# Altium PCB PCB1.PcbDoc (part 2 of 2)
Units mm, origin at the board's own origin, x right, y up, seen from the top; angles counter-clockwise.
Board outline 145.8 x 183.3 mm, 2 copper layers (TOP, BOTTOM), stack 1.571 mm thick; 149 components, 161 nets, 634 pads, 198 vias.
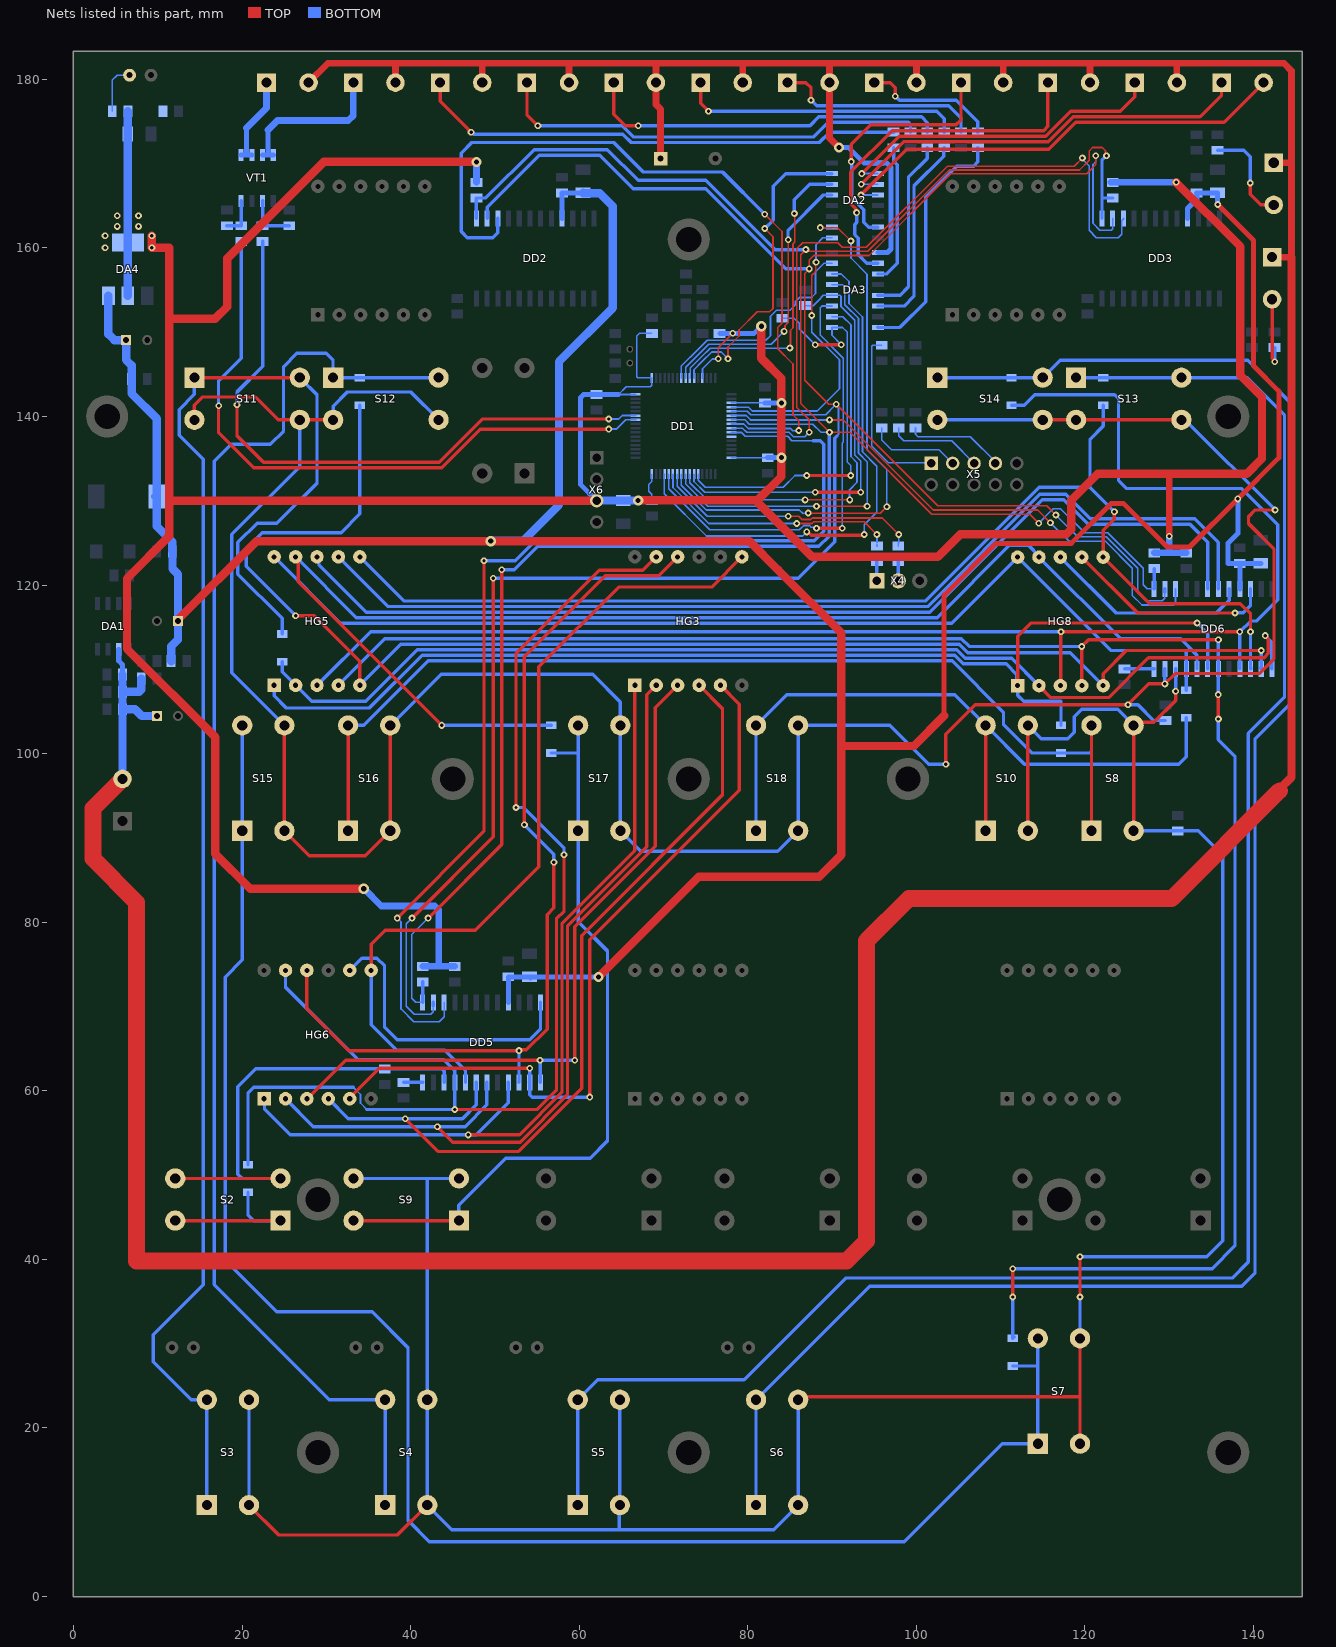
[diagram p2: the nets of this part, all layers, seen from the top]

## Via types
v1: diameter 0.8, hole 0.4, TOP to BOTTOM, 171 vias
v2: diameter 1.2, hole 0.6, TOP to BOTTOM, 27 vias

## Nets (pads, with @x,y where several pads share a name; then routed paths per layer and width w, separated by ;. In a path a pad name is that pad's centre, name@x,y a point inside that pad or via, vN(x,y) a via of type N, cw(c..) or ccw(c..) an arc to the next point about the centre after c; other vN are vias at no path point) (continued)
NetDD5_12: DD5.12 HG6.8 | length 35.2
  BOTTOM w0.4: HG6.8@32.777,74.295 34.227,75.745 35.992,75.745 36.907,74.83 36.907,67.528 38.395,66.04 54.134,66.04 55.402,67.308 DD5.12@55.402,70.5
NetDD5_13: DD5.13 HG3.3 HG6.3 | length 85.9
  TOP w0.4: HG6.3@27.697,59.055 27.712,59.055 32.294,63.638 v1(55.343,63.638) ; v1(59.462,63.638) 59.462,79.464 69,89.002 69,105.429 HG3.3@71.68,108.109
  BOTTOM w0.4: DD5.13@55.402,61 55.373,61.029 55.373,63.608 v1(55.343,63.638) v1(59.462,63.638)
NetDD5_14: DD5.14 HG3.5 HG6.5 | length 90.6
  TOP w0.4: HG6.5@32.777,59.055 32.777,59.195 36.267,62.685 v1(54.132,62.685) ; v1(61.246,59.254) 61.246,77.915 79,95.669 79,105.869 HG3.5@76.76,108.109
  BOTTOM w0.4: DD5.14@54.09,61.043 DD5.14@54.132,61 54.134,60.998 54.134,59.531 54.411,59.254 v1(61.246,59.254) ; DD5.14@54.132,61.043 v1(54.132,62.685) v1@54.132,62.727 ; HG3.5@76.676,108.109 HG3.5@76.76,108.109
NetDD5_15: DD5.15 HG3.10 HG6.10 | length 109
  TOP w0.4: HG6.10@27.697,74.295 27.697,69.752 32.68,64.77 v1(52.862,64.77) 52.939,64.847 53.734,64.847 56.2,67.312 56.2,80.9 57,81.7 v1@57,86.981 ; v1(53.5,91.576) 53.5,111.5 63.11,121.11 69.441,121.11 HG3.10@71.68,123.349
  BOTTOM w0.4: DD5.15@52.862,61 52.82,61.043 DD5.15@52.864,61.087 ; DD5.15@52.862,61.087 52.864,61.089 v1@52.864,64.77 ; v1(53.5,91.576) 57,88.076 v1(57,87.1) ; HG3.10@71.596,123.265 HG3.10@71.68,123.349
NetDD5_16: DD5.16 HG3.1 HG6.1 | length 100.5
  TOP w0.4: v1(46.831,54.769) 52.919,54.769 57.954,59.804 57.954,79.806 66.6,88.452 HG3.1@66.6,108.109
  BOTTOM w0.4: HG6.1@22.617,59.055 22.657,59.015 22.657,57.843 25.71,54.79 v1@46.787,54.79 ; v1(46.831,54.769) 47.769,54.769 51.592,58.592 DD5.16@51.592,61
NetDD5_18: DD5.18 HG3.2 HG6.2 | length 100.5
  TOP w0.4: v1(43.18,55.721) 44.987,53.915 52.99,53.915 58.608,59.533 58.608,79.535 68,88.927 68,106.969 HG3.2@69.14,108.109
  BOTTOM w0.4: HG6.2@25.157,59.055 28.47,55.742 46.47,55.742 49.052,58.325 DD5.18@49.052,61
NetDD5_19: DD5.19 HG3.4 HG6.4 | length 103.4
  TOP w0.4: v1(39.37,56.674) 43.244,52.8 52.8,52.8 60.316,60.316 60.316,78.414 77,95.098 77,105.329 HG3.4@74.22,108.109
  BOTTOM w0.4: HG6.4@30.237,59.055 30.237,59.035 30.257,59.035 32.597,56.695 46.152,56.695 47.782,58.325 DD5.19@47.782,61
NetDD5_20: DD5.20 HG3.7 HG6.7 | length 101.3
  TOP w0.4: HG6.7@35.317,74.295 35.317,77.386 36.989,79.057 47.658,79.057 55.2,86.6 55.2,110.286 64.676,119.762 75.713,119.762 HG3.7@79.3,123.349
  BOTTOM w0.4: HG6.7@35.317,74.295 35.317,67.848 38.365,64.8 44.067,64.8 46.512,62.355 DD5.20@46.512,61
NetDD5_21: DD5.21 HG3.11 HG6.11 VD11.2 | length 155.2
  TOP w0.4: v1(45.242,57.785) 55.01,57.785 57.3,60.075 57.3,80.4 58.2,81.3 v1(58.2,88) ; v1(52.508,93.6) 52.508,111.908 62.364,121.764 67.555,121.764 HG3.11@69.14,123.349
  BOTTOM w0.2: 33.205,60.4 34.047,59.558 34.047,58.552 34.814,57.785
  BOTTOM w0.4: VD11.2@20.7,51.24 20.7,59.7 21.4,60.4 33.205,60.4 ; HG6.11@25.157,74.295 25.157,72.292 33.77,63.68 43.93,63.68 45.242,62.368 DD5.21@45.242,61 v1(45.242,57.785) 34.814,57.785 ; v1(52.508,93.6) 53.4,93.6 58.2,88.8 v1(58.2,88)
NetDD5_22: DD5.22 R43.2 S2.3 S2.4 | length 55
  TOP w0.4: S2.4@12.073,49.6 S2.3@24.573,49.6
  BOTTOM w0.4: S2.3@24.573,49.6 20,49.6 19.5,50.1 19.5,60.5 21.6,62.6 43.7,62.6 43.972,62.328 DD5.22@43.972,61
NetDD5_24: DD5.24 R35.2 | length 2.3
  BOTTOM w0.4: R35.2@39.167,61 DD5.24@41.432,61
NetDD6_6: DD6.6 HG5.8 | length 121.9
  BOTTOM w0.4: HG5.8@28.892,123.349 29.122,123.119 29.122,122.401 34.731,116.792 101.6,116.792 114.908,130.1 117.475,130.1 120.383,127.192 132.461,127.192 134.56,125.093 DD6.6@134.56,119.551
NetDD6_7: DD6.7 HG5.7 | length 120.2
  BOTTOM w0.4: HG5.7@31.432,123.349 37.335,117.446 101.329,117.446 114.637,130.754 117.746,130.754 120.654,127.846 133.035,127.846 135.83,125.051 DD6.7@135.83,119.551
NetDD6_8: DD6.8 HG8.8 | length 25.1
  TOP w0.4: HG8.8@117.085,123.301 HG8.8@117.315,123.072
  BOTTOM w0.4: HG8.8@117.085,123.301 123.705,116.681 135.572,116.681 137.1,118.209 DD6.8@137.1,119.551
NetDD6_10: DD6.10 HG8.7 | length 25.1
  TOP w0.4: HG8.7@119.625,123.301 126.245,116.681 v1(137.795,116.681)
  BOTTOM w0.4: v1(137.795,116.681) 137.795,116.74 137.806,116.729 138.795,116.729 139.64,117.574 DD6.10@139.64,119.551
NetDD6_13: DD6.13 HG5.2 HG8.2 VD12.2 | length 133.2
  TOP w0.4: HG8.2@114.545,108.061 115.952,106.654 122.804,106.654 127.532,111.382 141.264,111.382 141.764,111.883 141.764,113.566 141.4,113.93 v1(141.4,114)
  BOTTOM w0.4: VD12.2@24.765,110.914 24.765,109.696 HG5.2@26.352,108.109 28.258,106.204 34.679,106.204 40.783,112.308 104.807,112.308 105.812,111.303 111.304,111.303 HG8.2@114.545,108.061 ; v1(141.4,114) 142.18,113.22 DD6.13@142.18,110.051
NetDD6_14: DD6.14 HG5.5 HG8.5 VD13.2 | length 167
  TOP w0.4: v1(26.352,116.364) 28.575,116.364 33.972,110.966 HG5.5@33.972,108.109 ; HG8.5@122.165,108.061 122.165,109.475 124.926,112.236 v1(140.91,112.236)
  BOTTOM w0.4: v1(26.352,116.364) 20.479,122.237 20.479,124.301 22.384,126.206 31.75,126.206 33.972,128.429 VD13.2@33.973,141.32 ; HG5.5@33.972,108.109 38.826,112.962 105.078,112.962 106.083,111.957 118.27,111.957 HG8.5@122.165,108.061 ; DD6.14@140.91,110.051 140.811,110.15 140.91,110.249 v1(140.91,112.236)
NetDD6_15: DD6.15 HG5.6 HG8.6 VD14.2 | length 141.6
  TOP w0.4: v1(123.492,128.7) 123.492,127.828 122.165,126.501 HG8.6@122.165,123.301 127.674,117.792 138.43,117.792 139.64,116.583 v1(139.64,114.459)
  BOTTOM w0.4: HG5.6@33.972,123.349 39.221,118.1 101.058,118.1 114.562,131.604 120.6,131.604 120.6,137.3 122.165,138.865 VD14.2@122.165,141.32 ; 120.6,131.548 123.448,128.7 v1(123.492,128.7) ; HG8.6@122.165,123.301 HG8.6@122.19,123.301 ; DD6.15@139.64,110.051 139.7,110.111 139.64,110.171 v1(139.64,114.459)
NetDD6_16: DD6.16 HG5.3 HG8.3 VD15.2 | length 182
  TOP w0.4: HG8.3@117.085,108.061 117.157,108.134 117.121,108.17 117.121,114.264 v1@117.157,114.3 ; v1(117.157,114.446) 117.164,114.452 138.364,114.452 v1(138.37,114.459)
  BOTTOM w0.4: HG5.3@28.892,108.109 35.242,114.459 117.145,114.459 v1(117.157,114.446) ; VD15.2@111.284,141.32 112.82,141.32 114.058,142.558 123.507,142.558 123.984,142.081 123.984,132.398 124.936,131.445 138.589,131.445 142.88,127.154 142.88,118.274 140.335,115.729 139.64,115.729 v1(138.37,114.459) DD6.16@138.37,110.194 ; HG8.3@117.085,108.061 HG8.3@117.157,108.134 ; DD6.16@138.37,110.051 138.392,110.051 DD6.16@138.37,110.074
NetDD6_18: DD6.18 HG5.4 HG8.4 VD16.2 | length 220.7
  TOP w0.4: v1(111.442,35.529) v1(111.442,38.894) ; HG8.4@119.625,108.061 v1(119.625,112.712) 120.419,113.506 v1(135.83,113.506) ; v1(135.8,107) 135.8,104.13 v1(135.83,104.1)
  BOTTOM w0.4: HG5.4@31.432,108.109 36.94,113.616 105.349,113.616 106.252,112.712 v1(119.625,112.712) ; v1(111.442,35.529) VD16.2@111.442,30.631 VD16.2@111.609,30.797 ; v1(111.442,38.894) 135.096,38.894 137.795,41.593 137.795,99.705 135.83,101.67 v1(135.83,104.1) ; HG8.4@119.595,108.091 HG8.4@119.625,108.061 ; v1(135.8,107) 135.815,107.015 135.815,110.036 DD6.18@135.83,110.051 ; DD6.18@135.83,110.171 v1(135.83,113.506)
NetDD6_19: DD6.19 HG5.1 HG8.1 VD17.2 | length 138.1
  TOP w0.4: HG8.1@112.005,108.061 112.005,113.905 113.6,115.5 v1(133.3,115.5)
  BOTTOM w0.4: HG5.1@23.812,108.109 23.812,106.839 25.241,105.41 35.11,105.41 41.354,111.654 104.536,111.654 105.541,110.649 110.649,110.649 111.919,109.379 111.919,108.148 HG8.1@112.005,108.061 112.021,108.046 112.021,106.896 112.712,106.204 117.157,106.204 VD17.2@117.157,103.35 ; v1(133.3,115.5) 134.56,114.24 DD6.19@134.56,110.051
NetDD6_20: DD6.20 HG5.9 HG8.9 VD18.2 | length 161
  TOP w0.4: HG5.9@26.352,123.349 26.651,123.349 26.651,120.398 v1(43.7,103.35)
  BOTTOM w0.4: HG5.9@26.352,123.349 33.563,116.138 102.463,116.138 111.025,124.7 113.3,124.7 114.535,123.465 114.535,123.311 124.185,113.661 131.295,113.661 133.29,111.666 DD6.20@133.29,110.051 ; v1@43.7,103.599 43.949,103.35 VD18.2@56.674,103.35
NetDD6_21: DD6.21 HG5.10 HG8.10 VD19.2 | length 123.9
  BOTTOM w0.4: HG5.10@23.812,123.349 31.677,115.484 104.188,115.484 HG8.10@112.005,123.301 123.07,112.236 131.786,112.236 132.02,112.002 DD6.21@132.02,110.051 VD19.2@132.02,107.526
NetDD6_22: DD6.22 R44.2 S3.3 S3.4 S4.3 S4.4 S5.3 S5.4 S6.3 S6.4 S7.3 S7.4 S8.3 S8.4 S9.3 S9.4 S10.3 S10.4 | length 345.5
  TOP w0.4: S3.3@20.823,10.85 24.37,7.302 38.43,7.302 S4.3@41.977,10.85 ; S6.4@85.977,23.35 86.027,23.3 86.427,23.7 119.411,23.7 ; S10.3@113.221,90.85 S10.4@113.221,103.35 ; S7.3@119.411,18.131 119.411,23.7 ; S7.4@119.411,30.631 119.411,23.7 ; v1(119.411,35.529) 119.38,35.56 119.411,35.591 v1(119.411,40.322) ; S8.3@125.775,90.85 125.73,90.894 125.775,90.939 S8.4@125.775,103.35 126.157,103.732 128.18,103.732 130.75,106.302 v1(130.75,107.4)
  BOTTOM w0.4: S3.3@20.823,10.85 S3.4@20.823,23.35 S3.4@20.823,23.998 ; S9.4@33.227,49.6 41.977,49.6 ; S9.3@45.727,49.6 41.977,49.6 ; S5.4@64.823,23.35 S5.3@64.823,10.85 64.77,10.797 64.77,7.938 ; S6.4@85.977,23.35 S6.3@85.977,10.85 83.065,7.938 64.77,7.938 ; S10.4@113.221,103.35 114.812,101.759 117.951,101.759 118.745,102.552 118.745,104.382 119.614,105.251 123.873,105.251 S8.4@125.775,103.35 S8.4@125.775,103.391 ; S7.4@119.411,30.631 v1(119.411,35.529) ; v1(119.411,40.322) 134.461,40.322 136.366,42.227 136.366,87.934 133.45,90.85 S8.3@125.775,90.85 ; v1(130.75,107.4) DD6.22@130.75,110.051 ; 41.977,49.6 S4.4@41.977,23.35 S4.3@41.977,10.85 44.89,7.938 64.77,7.938
NetDD6_23: DD6.23 R45.2 S11.3 S11.4 S12.3 S12.4 S13.3 S13.4 S14.3 S14.4 S15.3 S15.4 S16.3 S16.4 S17.3 S17.4 S18.3 S18.4 | length 340.9
  TOP w0.4: S11.3@14.352,139.6 14.352,141.352 15.3,142.3 21.6,142.3 24.3,139.6 26.504,139.6 26.852,139.252 S11.4@26.852,139.6 S12.3@30.812,139.6 ; S15.4@25.025,103.35 S15.3@25.025,90.85 27.975,87.9 34.63,87.9 37.359,90.629 37.8,90.629 S16.3@37.579,90.85 S16.4@37.579,103.35 ; S12.4@43.313,139.6 S12.4@43.313,140.287 ; v1(103.5,98.733) 103.5,102.3 107,105.8 v1(125.1,105.8) 127.568,108.267 v1(129.48,108.267) 130.712,109.5 140.7,109.5 142.418,111.218 142.418,124.282 139.4,127.3 139.4,128.1 140.205,128.905 v1(142.558,128.905) ; S14.4@114.987,139.6 131.049,139.6 131.248,139.4 S13.4@131.448,139.6
  BOTTOM w0.4: S15.4@25.025,103.35 18.8,109.575 18.8,126 26.852,134.052 S11.4@26.852,139.6 ; S12.3@30.813,139.6 30.813,141.213 32.5,142.9 40.012,142.9 S12.4@43.313,139.6 ; S16.4@37.579,103.35 37.679,103.35 37.679,103.45 43.63,109.4 61.6,109.4 64.878,106.122 S17.4@64.878,103.35 S17.3@64.878,90.85 67.328,88.4 83.527,88.4 S18.3@85.977,90.85 S18.4@85.977,103.35 96.828,103.35 101.445,98.733 v1(103.5,98.733) ; S14.3@102.487,139.6 S14.4@114.987,139.6 ; v1(125.1,105.8) 126.293,105.8 128.167,103.925 R45.2@129.54,103.925 ; v1@129.413,108.334 v1(129.48,108.267) 129.48,109.918 129.413,109.985 DD6.23@129.48,110.051 ; S13.4@131.448,139.6 131.863,139.6 v1(142.558,128.905)
NetDD6_24: DD6.24 R37.2 | length 3.5
  BOTTOM w0.4: R37.2@124.7,110.051 DD6.24@128.21,110.051
NetR1_2: R1.2 X4.1 | length 2.3
  BOTTOM w0.2: X4.1@95.3,120.52 X4.1@95.32,120.5 ; R1.2@95.3,122.755 R1.2@95.32,122.775
  BOTTOM w0.4: X4.1@95.3,120.52 R1.2@95.3,122.755
NetR2_2: R2.2 X1.2 | length 9.2
  TOP w0.4: X1.2@142.2,153.9 142.2,146.908 142.5,146.608 v1(142.5,146.5)
  BOTTOM w0.4: v1(142.5,146.5) R2.2@142.5,148.175
NetR3_2: R3.2 X2.2 | length 12.2
  TOP w0.4: v1(139.6,167.7) 139.6,166.348 140.848,165.1 X2.2@142.4,165.1
  BOTTOM w0.4: R3.2@135.731,171.575 138.825,171.575 139.6,170.8 v1(139.6,167.7) ; X2.2@142.2,165.1 X2.2@142.4,165.1
NetR4_2: R4.2 X5.1 | length 21
  BOTTOM w0.2: R4.2@95.9,148.45 94.817,148.45 94.7,148.333 94.7,136.5 96.7,134.5 101.7,134.5 X5.1@101.76,134.44
NetR5_2: R5.2 X5.7 | length 11.8
  BOTTOM w0.2: R5.2@99.9,138.65 99.9,137.9 100.2,137.6 106.4,137.6 109.38,134.62 X5.7@109.38,134.44
NetR7_2: R7.2 X5.3 | length 11.1
  BOTTOM w0.2: R7.2@95.9,138.65 95.9,137.2 97.046,136.054 102.686,136.054 104.04,134.7 X5.3@104.3,134.7
  BOTTOM w0.4: X5.3@104.3,134.44 X5.3@104.3,134.7
NetR8_2: R8.2 X4.2 | length 2.3
  BOTTOM w0.4: X4.2@97.86,120.5 R8.2@97.86,122.775
NetR12_2: R12.2 X5.5 | length 11.2
  BOTTOM w0.2: R12.2@97.9,138.65 97.9,137.7 98.5,137.1 104.18,137.1 X5.5@106.8,134.48
  BOTTOM w0.4: X5.5@106.8,134.48 X5.5@106.84,134.44
NetR20_1: R20.1 R22.2 VT1.2 | length 6.1
  BOTTOM w0.4: VT1.2@22.435,165.575 R20.1@22.435,162.625 R22.2@25.6,162.625
NetR21_1: R21.1 R23.2 VT1.4 | length 4.6
  BOTTOM w0.4: R23.2@18.2,162.625 R21.1@19.895,162.625 VT1.4@19.895,165.575
NetR24_1: R24.1 X11.1 | length 16.1
  TOP w0.4: X11.1@95,179.6 96.9,179.6 97.5,179 v1(97.5,178)
  BOTTOM w0.4: X11.1@95,179.6 X11.1@95.066,179.534 ; v1(97.5,178) 97.999,177.501 104.756,177.501 107.3,174.958 R24.1@107.3,173.725
NetR25_1: R25.1 X12.1 | length 24.9
  TOP w0.4: X12.1@84.7,179.6 86.9,179.6 87.5,179 v1(87.5,177.5)
  BOTTOM w0.4: v1(87.5,177.5) 88.153,176.847 103.822,176.847 105.3,175.37 R25.1@105.3,173.725
NetR26_1: R26.1 X13.1 | length 33.7
  TOP w0.4: X13.1@74.4,179.6 74.4,177.134 v1(75.341,176.194)
  BOTTOM w0.4: v1(75.341,176.194) 102.406,176.194 103.3,175.3 R26.1@103.3,173.725
NetR27_1: R27.1 X14.1 | length 43.4
  TOP w0.4: X14.1@64.1,179.6 64.1,175.847 65.447,174.5 v1(67,174.5)
  BOTTOM w0.4: v1(67,174.5) 87.379,174.5 88.418,175.54 100.61,175.54 101.3,174.85 R27.1@101.3,173.725
NetR28_1: R28.1 X15.1 | length 52.1
  TOP w0.4: X15.1@53.8,179.6 53.8,175.8 v1(55.1,174.5)
  BOTTOM w0.4: v1(55.1,174.5) 65.08,174.5 66.426,173.154 87.839,173.154 89.571,174.886 99.066,174.886 99.3,174.651 R28.1@99.3,173.725
NetR29_1: R29.1 X16.1 | length 58.5
  TOP w0.4: X16.1@43.5,179.6 43.5,177.4 v1(47.175,173.725)
  BOTTOM w0.4: v1(47.175,173.725) 47.283,173.725 47.508,173.5 65.155,173.5 66.155,172.5 88.5,172.5 89.725,173.725 R29.1@97.3,173.725
NetR30_1: R30.1 VD2.2 | length 6
  BOTTOM w0.2: R30.1@4.6,176.199 4.6,179.905 5.18,180.485 VD2.2@6.66,180.485
NetS2_1: S2.1 S2.2 VD11.1 | length 19.3
  TOP w0.4: S2.2@12.073,44.6 S2.1@24.573,44.6
  BOTTOM w0.4: VD11.1@20.7,47.96 20.7,45.3 21.4,44.6 S2.1@24.573,44.6
NetS3_1: S3.1 S3.2 S11.1 S11.2 VD12.1 | length 193.2
  TOP w0.4: S11.1@14.352,144.6 S11.2@26.852,144.6
  BOTTOM w0.4: S11.1@14.352,144.6 14.352,142.622 12.541,140.811 12.541,137.759 15.376,134.924 15.376,36.976 9.45,31.05 9.45,27.85 13.95,23.35 S3.2@15.823,23.35 S3.1@15.823,10.85 ; VD12.1@24.765,114.194 24.765,116.046 19.507,121.304 19.507,125.048 21.776,127.317 24.13,127.317 28.892,132.08 28.892,142.559 27.012,144.439 26.852,144.439 S11.2@26.852,144.6
NetS4_1: S4.1 S4.2 S12.1 S12.2 VD13.1 | length 174.9
  BOTTOM w0.4: S4.1@36.977,10.85 S4.2@36.977,23.35 30.35,23.35 16.684,37.016 16.684,134.663 18.705,136.684 23.336,136.684 24.924,138.271 24.924,145.891 26.511,147.479 30.004,147.479 30.797,146.685 30.797,144.615 S12.1@30.813,144.6 VD13.1@33.973,144.6 43.27,144.6 43.291,144.621 S12.2@43.313,144.6
NetS5_1: S5.1 S5.2 S13.1 S13.2 VD14.1 | length 227.7
  TOP w0.4: S13.2@131.448,144.6 S13.2@131.47,144.621
  BOTTOM w0.4: S5.1@59.823,10.85 59.823,23.299 59.849,23.324 S5.2@59.823,23.35 62.21,25.737 79.553,25.737 91.599,37.782 137.477,37.782 139.382,39.688 139.382,102.394 143.669,106.68 143.669,140.176 139.245,144.6 S13.2@131.448,144.6 VD14.1@122.165,144.6 S13.1@118.948,144.6
NetS6_1: S6.1 S6.2 S14.1 S14.2 VD15.1 | length 228
  BOTTOM w0.4: S6.1@80.977,10.85 S6.2@80.977,23.35 94.457,36.83 138.589,36.83 140.176,38.417 140.176,101.759 144.7,106.283 144.7,141.3 139.315,146.685 117.073,146.685 S14.2@114.987,144.6 VD15.1@111.284,144.6 S14.1@102.487,144.6
NetS7_1: S7.1 S7.2 S15.1 S15.2 VD16.1 | length 207
  BOTTOM w0.4: S15.2@20.025,103.35 S15.1@20.025,90.85 20.025,75.526 17.992,73.492 17.992,39.908 24.125,33.775 35.44,33.775 39.688,29.527 39.688,9.049 42.227,6.509 98.584,6.509 110.206,18.131 S7.1@114.411,18.131 114.411,27.351 ; VD16.1@111.442,27.351 114.411,27.351 ; S7.2@114.411,30.631 114.617,30.424 114.411,30.218 114.411,27.351
NetS8_1: S8.1 S8.2 S16.1 S16.2 VD17.1 | length 125
  TOP w0.4: S16.1@32.579,90.85 S16.2@32.579,103.35 ; S8.1@120.775,90.85 S8.2@120.775,103.35
  BOTTOM w0.4: S16.2@32.579,103.35 34.45,103.35 42.1,111 104.265,111 110.331,104.934 110.331,103.505 113.766,100.07 VD17.1@117.157,100.07 120.54,100.07 120.775,100.304 S8.2@120.775,103.35 ; S8.1@120.65,90.725 S8.1@120.775,90.85
NetS9_1: S9.1 S9.2 S17.1 S17.2 VD18.1 | length 89.3
  TOP w0.4: S9.2@33.227,44.6 33.382,44.755 33.537,44.6 S9.1@45.727,44.6 ; S17.2@59.878,103.35 S17.2@60.008,103.22
  BOTTOM w0.4: S9.1@45.727,44.6 45.727,46.427 51.3,52 61.3,52 63.354,54.054 63.354,76.583 59.878,80.059 S17.1@59.878,90.85 S17.2@59.878,103.35 ; VD18.1@56.674,100.07 59.849,100.07
NetS10_1: S10.1 S10.2 S18.1 S18.2 VD19.1 | length 86.7
  TOP w0.4: S10.1@108.221,90.85 S10.2@108.221,103.35
  BOTTOM w0.4: S18.1@80.977,90.85 S18.2@80.977,103.35 84.627,107 104.57,107 S10.2@108.221,103.35 112.828,98.742 131.127,98.742 132.02,99.635 VD19.1@132.02,104.246 ; S10.1@108.221,90.85 S10.1@108.744,90.327
NetVT1_5: VT1.5 VT1.6 X18.1 | length 10.8
  BOTTOM w0.6: VT1.5@19.895,171.025 20.53,171.025 ; 20.53,174.23 20.53,171.025 ; VT1.6@21.165,171.025 20.53,171.025
  BOTTOM w0.8: 20.53,174.23 22.9,176.6 X18.1@22.9,179.6
NetVT1_7: VT1.7 VT1.8 X17.1 | length 19
  BOTTOM w0.6: VT1.7@22.435,171.025 23.07,171.025 ; 23.07,173.97 23.07,171.025 ; VT1.8@23.705,171.025 23.07,171.025
  BOTTOM w0.8: 23.07,173.97 24.2,175.1 32.6,175.1 33.2,175.7 X17.1@33.2,179.6
oBuzzer: DA2.1 DD1.20 | length 35
  TOP w0.2: v1(87.6,151.973) 87.6,156.734 88.054,157.188 88.054,158.254 v1(88.1,158.3)
  BOTTOM w0.2: DD1.20@78.071,141.106 80.085,141.106 80.54,140.651 88.251,140.651 90.873,143.273 90.873,146.727 87.6,150 v1(87.6,151.973) ; v1(88.1,158.3) 88.1,160.385 88.908,161.192 DA2.1@89.985,161.192
oDIR1: DA3.2 DD1.39 | length 45
  TOP w0.2: v1(86.8,130.1) v1(92.1,130.1)
  BOTTOM w0.2: DD1.39@73.121,133.156 73.121,132.131 75.152,130.1 v1(86.8,130.1) ; DA3.2@89.985,151.826 91.274,151.826 92.235,150.865 92.235,135.239 92.954,134.52 92.954,132.183 92.075,131.304 v1@92.075,130.013
oDIR2: DA3.5 DD1.40 | length 52.6
  TOP w0.2: v1(88.146,129.346) v1(94.154,129.346)
  BOTTOM w0.2: DD1.40@72.621,133.156 72.621,131.989 75.256,129.354 86.288,129.354 86.296,129.346 v1(88.146,129.346) ; DA3.5@89.985,155.636 91.264,155.636 91.5,155.4 91.5,153.258 93.143,151.615 93.143,135.615 94.154,134.604 v1(94.154,129.346)
oGPIO_Reserve0: DA3.7 DD1.8 | length 27.4
  BOTTOM w0.2: DD1.8@72.121,144.556 72.121,145.98 74.106,147.965 75.172,149.031 82.131,149.031 82.691,149.591 82.691,151.891 83.4,152.6 85,152.6 85.638,153.238 85.638,153.637 86.101,154.1 87.5,154.1 87.575,154.175 87.624,154.175 88.036,154.587 88.036,157.17 89.043,158.176 DA3.7@89.985,158.176
oGPIO_Reserve1: DA2.5 DD1.9 | length 33.9
  TOP w0.2: v1(84.303,150.089) 84.417,150.203 84.417,150.775 84.808,151.166 v1(84.808,160.972)
  BOTTOM w0.2: DD1.9@72.621,144.556 72.621,145.838 74.294,147.511 75.36,148.577 82.791,148.577 v1(84.303,150.089)
  BOTTOM w0.4: v1(84.808,160.972) 84.772,161.008 84.772,162.085 88.96,166.272 DA2.5@89.985,166.272
oGPIO_Reserve2: DA2.6 DD1.10 | length 37.1
  TOP w0.2: v1(84.998,148.117) 85.057,148.176 85.057,150.201 85.372,150.516 85.372,160.463 85.527,160.618 85.527,160.625 85.562,160.66 85.562,164.038 v1(85.527,164.073)
  BOTTOM w0.2: DD1.10@73.121,144.556 73.167,144.602 73.167,145.742 74.482,147.057 75.532,148.107 76.174,148.107 84.988,148.107 v1(84.998,148.117)
  BOTTOM w0.4: v1(85.527,164.073) 85.527,165.727 87.342,167.542 DA2.6@89.985,167.542
oGPIO_Reserve3: DA2.7 DD1.11 | length 38.2
  TOP w0.2: v1(77.648,146.84) 77.648,148.238 78.954,149.544 78.954,150.254 81.113,152.413 82.571,152.413 83,152.842 83,161.292 v1(81.996,162.296)
  BOTTOM w0.2: DD1.11@73.621,144.556 73.621,145.554 74.613,146.546 75.72,147.653 76.835,147.653 v1(77.648,146.84)
  BOTTOM w0.4: v1(81.996,162.296) 83,163.3 83,167.3 84.513,168.812 DA2.7@89.985,168.812
oPWM_STEP1: DA3.1 DD1.37 R18.2 | length 50
  TOP w0.4: v1(87,133) v1(92.2,133) ; v1(88.001,148.5) v1@91.007,148.5
  BOTTOM w0.2: DD1.37@74.121,133.156 74.121,132.415 74.933,131.604 84.204,131.604 85.6,133 v1(87,133) ; R18.2@84.1,151.65 85.488,151.65 86.1,151.038 86.1,150.401 v1(88.001,148.5) ; v1(91.1,148.5) 89.985,149.615 DA3.1@89.985,150.556 91.244,150.556 91.781,150.019 91.781,134.597 92.2,134.177 v1(92.2,133)
oPWM_STEP2: DA3.4 DD1.38 R17.2 | length 50.2
  TOP w0.4: v1(88,131) v1(93.4,131)
  BOTTOM w0.2: DD1.38@73.621,133.156 73.621,132.273 74.894,131 v1(88,131) ; R17.2@86.8,153.15 87.75,153.15 88.4,153.8 88.966,154.366 DA3.4@89.985,154.366 90.929,154.366 91.046,154.249 91.046,153.054 92.689,151.411 92.689,135.427 93.408,134.708 93.408,131.008 v1(93.4,131)
oSMD_EN1: DA3.3 DD1.44 | length 53.5
  TOP w0.4: v1(88.146,126.746) v1(91.2,126.746)
  BOTTOM w0.2: DD1.44@70.621,133.156 70.621,131.421 75.496,126.546 86.112,126.546 86.62,127.054 87.312,127.054 87.506,126.861 88.031,126.861 v1(88.146,126.746) ; DA3.3@89.985,153.096 88.796,153.096 88.582,152.882 88.582,149.66 91.327,146.915 91.327,136.975 91.2,136.848 v1(91.2,126.746)
oSMD_EN2: DA3.6 DD1.45 | length 62.9
  TOP w0.4: v1(87,126.3) 87.108,126.3 87.516,125.892 93.584,125.892 93.692,126 v1(93.8,126)
  BOTTOM w0.2: DD1.45@70.121,133.156 70.075,133.11 70.075,130.836 75.1,125.811 86.499,125.811 86.989,126.3 v1(87,126.3) ; DA3.6@89.985,156.906 91.094,156.906 92,156 92,153.4 93.6,151.8 93.6,135.8 95.3,134.1 95.3,128.637 93.8,127.138 v1(93.8,126)
oSolenoidValve1: DD1.58 R21.2 | length 77.6
  TOP w0.2: v1@63.4,138.6 v1(63.5,138.5)
  TOP w0.4: v1(17.23,141.27) 17.2,141.24 17.2,138.1 21.4,133.9 43.675,133.9 48.275,138.5 63.315,138.5 63.4,138.585 v1@63.4,138.6
  BOTTOM w0.2: v1(63.5,138.5) 64.4,138.5 65.506,139.606 DD1.58@66.671,139.606 DD1.58@66.75,139.606
  BOTTOM w0.4: v1(17.23,141.27) 17.2,141.3 17.2,144.2 19.895,146.895 R21.2@19.895,160.775
oSolenoidValve2: DD1.59 R20.2 | length 75.3
  TOP w0.2: v1@63.4,139.8 v1(63.5,139.7)
  TOP w0.4: v1(19.4,141.4) 19.4,137.7 22.546,134.554 43.404,134.554 48.55,139.7 63.315,139.7 63.4,139.785 v1@63.4,139.8
  BOTTOM w0.2: v1(63.5,139.7) 64.7,139.7 65.106,140.106 DD1.59@66.671,140.106
  BOTTOM w0.4: v1(19.4,141.4) 19.4,142.9 22.435,145.935 R20.2@22.435,160.775
oSTLED316S_STB1: DD1.24 DD2.3 | length 92
  TOP w0.2: v1(82,164) 84.054,161.946 84.054,151.054 83.549,150.549 83.549,148.047 85.372,146.224 85.372,140.165 86.034,139.503 v1(86.034,138.335)
  BOTTOM w0.2: DD1.24@78.071,139.106 79.517,139.106 80.057,138.566 85.076,138.566 85.342,138.3 85.999,138.3 v1(86.034,138.335)
  BOTTOM w0.4: DD2.3@50.345,163.506 50.345,161.809 49.75,161.214 46.727,161.214 46,161.941 46,171.242 47.258,172.5 64.1,172.5 67.6,169 77,169 v1(82,164)
oSTLED316S_STB2: DD1.25 DD3.3 | length 86.3
  TOP w0.2: v1(87.3,138.113) 87.3,139.596 85.826,141.071 85.826,159.926 86.5,160.6 90.654,160.6 91.194,160.06 94.06,160.06 103.7,169.7 118.741,169.7 v1(119.697,170.656)
  BOTTOM w0.2: DD1.25@78.106,138.606 79.375,138.606 79.869,138.112 84.888,138.112 85.419,137.581 86.767,137.581 v1@87.299,138.112 ; v1(119.697,170.656) 119.697,170.498 120.491,169.704 120.491,162.077 121.354,161.214 123.938,161.214 124.355,161.631 124.355,163.216 124.6,163.461 DD3.3@124.555,163.506
oSTLED316S_STB3: DD1.26 DD5.3 | length 129.1
  TOP w0.4: v1(38.417,80.486) 48.7,90.769 v1@48.7,123.1
  BOTTOM w0.2: v1(38.417,80.486) 38.85,80.054 38.85,69.713 40.354,68.208 43.377,68.208 43.972,68.803 DD5.3@43.972,70.5 ; DD1.26@78.071,138.106 79.233,138.106 79.703,137.636 84.722,137.636 85.231,137.127 87.773,137.127
  BOTTOM w0.4: v1(48.7,122.872) 52.415,122.872 54.799,125.257 87.864,125.257 89,126.392 89,136.7 88.573,137.127 87.773,137.127
oSTLED316S_STB4: DD1.27
oSTLED316S_STB5: DD1.22 DD6.3 | length 65.7
  TOP w0.2: v1(89.694,139.589) 91.295,139.589 101.984,128.9 114.4,128.9 v1(115.9,127.4)
  BOTTOM w0.2: DD1.22@78.071,140.106 79.801,140.106 80.319,139.589 v1(89.694,139.589) ; v1(115.9,127.4) 118.116,125.184 122.431,125.184 125.627,121.987 125.627,118.764 126.757,117.634 130.53,117.634 130.75,117.854 DD6.3@130.75,119.551
oSyncArc: DA2.2 DD1.41 | length 66.5
  TOP w0.2: v1@87.207,128.5 95.7,128.5 v1(96.5,129.3) ; v1(88.582,162.401) 90.646,162.401 v1(92.234,160.814)
  TOP w0.4: v1(87.169,128.538) v1@87.207,128.5
  BOTTOM w0.2: DD1.41@72.121,133.156 72.121,131.847 75.068,128.9 86.1,128.9 86.5,128.5 87.131,128.5 v1(87.169,128.538) ; v1(88.582,162.401) 89.924,162.401 DA2.2@89.985,162.462 ; v1(92.234,160.814) 92.234,158.791 94.15,156.875 94.15,136.05 96.5,133.7 v1(96.5,129.3)
PWM_STEP1: DA3.16 R24.2 | length 29.1
  BOTTOM w0.4: DA3.16@95.435,150.556 95.479,150.6 95.523,150.556 98.056,150.556 101.1,153.6 101.1,166 104.8,169.7 106.8,169.7 107.3,170.2 R24.2@107.3,171.875 R24.2@107.407,171.767
PWM_STEP2: DA3.13 R27.2 | length 21.5
  BOTTOM w0.4: DA3.13@95.435,154.366 98.066,154.366 99.058,155.358 99.058,168.358 101.3,170.6 R27.2@101.3,171.875
PWR_Reserve0: DA3.10 X9.1 | length 44.4
  TOP w0.4: v1(92.909,164.181) 92.833,164.258 92.833,164.621 92.234,165.22 92.234,169.003 97.131,173.9 115.1,173.9 115.6,174.4 X9.1@115.6,179.6
  BOTTOM w0.4: v1(92.909,164.181) 92.909,163.009 92.672,162.772 92.672,161.583 93.088,161.167 93.088,159.212 94.124,158.176 DA3.10@95.435,158.176 ; X9.1@115.252,179.253 115.3,179.3 X9.1@115.6,179.6
PWR_Reserve1: DA2.12 X8.2 | length 55.7
  TOP w0.4: v1(93.428,166.272) 98.847,171.692 115.692,171.692 118.896,174.896 136.496,174.896 X8.2@141.2,179.6
  BOTTOM w0.2: v1@93.513,166.272 DA2.12@95.435,166.272
  BOTTOM w0.4: X8.2@141.2,179.1 X8.2@141.2,179.6
PWR_Reserve2: DA2.11 X8.1 | length 50.6
  TOP w0.4: v1(93.458,167.542) 98.507,172.592 115.642,172.592 118.6,175.55 133.65,175.55 136.2,178.1 X8.1@136.2,179.6
  BOTTOM w0.2: v1@93.513,167.542 DA2.11@95.435,167.542
  BOTTOM w0.4: v1@93.4,167.6 v1(93.458,167.542)
PWR_Reserve3: DA2.10 X7.1 | length 39.8
  TOP w0.4: v1(93.513,168.812) 97.946,173.246 115.371,173.246 118.329,176.204 124.204,176.204 125.9,177.9 X7.1@125.9,179.6
  BOTTOM w0.2: v1(93.513,168.812) DA2.10@95.435,168.812
SMD_EN1: DA3.14 R26.2 | length 23.9
  BOTTOM w0.4: DA3.14@95.435,153.096 98.555,153.096 99.712,154.254 99.712,167.34 103.244,170.871 103.244,171.819 R26.2@103.3,171.875
SMD_EN2: DA3.11 R29.2 | length 16.7
  BOTTOM w0.4: DA3.11@95.435,156.906 96.488,156.906 97.75,158.168 97.75,169.857 97.3,170.308 R29.2@97.3,171.875
SPI1_MOSI_HD: DD1.23 DD2.1 DD3.1 DD5.1 DD6.1 R33.1 R34.1 R40.1 R42.1 | length 298.7
  TOP w0.2: v1(114.517,127.337) 113.454,128.4 101.842,128.4 92.13,138.112 v1(89.694,138.112) 86.28,141.527 86.28,159.188 v1(86.892,159.8) 87.054,159.8 87.254,159.6 94.242,159.6 103.888,169.246 119.354,169.246 120.491,170.384 120.491,171.491 120.9,171.9 122.06,171.9 122.44,171.52 122.44,171.053 v1(122.555,170.938)
  TOP w0.4: v1(42.069,80.486) 50.8,89.218 v1(50.8,121.805)
  BOTTOM w0.2: DD5.1@41.432,70.5 40.602,70.5 40.12,70.982 40.12,78.537 v1(42.069,80.486) ; DD1.23@78.071,139.606 79.659,139.606 80.177,139.089 87.711,139.089 88.687,138.112 v1(89.694,138.112) ; v1(114.517,127.337) 115.796,128.616 116.238,129.058 117.092,129.058 119.966,126.184 122.715,126.184 126.897,122.001 126.897,120.034 127.38,119.551 DD6.1@128.21,119.551 ; 122.015,165.948 122.041,165.921
  BOTTOM w0.4: DD5.1@41.432,70.5 R40.1@41.432,72.915 ; DD2.1@47.805,163.506 47.805,164.761 R33.1@47.805,165.921 48.921,165.921 54.654,171.654 63.345,171.654 66.999,168 75,168 83.236,159.764 86.856,159.764 v1(86.892,159.8) ; v1(50.8,121.805) 52.272,121.805 52.466,122 ; 52.467,122 55.07,124.603 88.445,124.603 89.654,125.812 89.654,138.073 v1(89.694,138.112) ; DD3.1@122.015,163.506 122.015,165.948 122.015,170.398 v1(122.555,170.938) ; 122.041,165.921 R34.1@123.285,165.921 ; DD6.1@128.21,119.551 R42.1@128.21,121.966
SPI1_SCK: DD1.21 DD2.2 DD3.2 DD5.2 DD6.2 | length 302.4
  TOP w0.2: v1@87.3,157.499 86.751,156.95 86.751,144.304 89.608,141.446 v1(90.48,141.446) ; v1(87.3,157.5) 87.3,158.566 87.834,159.1 94.384,159.1 104.076,168.792 120.192,168.792 121.285,169.885 v1(121.285,170.938) ; v1@90.484,141.45 102.534,129.4 115.454,129.4 v1(116.55,128.304)
  TOP w0.4: v1(40.164,80.486) 49.8,90.122 v1(49.8,120.8)
  BOTTOM w0.2: v1(40.164,80.486) 39.485,79.807 39.485,70.03 40.437,69.077 42.407,69.077 42.696,69.367 42.696,70.067 DD5.2@42.702,70.073 ; DD1.21@78.071,140.606 79.943,140.606 80.352,140.197 89.238,140.197 v1@90.412,141.371 ; v1(90.48,141.446) 90.48,141.303 90.754,141.029 90.754,137.855 90.531,137.632 ; v1(116.55,128.304) 119.124,125.73 122.527,125.73 126.262,121.994 126.262,119.081 127.215,118.129 129.185,118.129 129.474,118.418 129.474,119.118 DD6.2@129.48,119.124 ; v1(121.285,170.938) 121.285,170.232 120.945,169.892 120.945,162.902 121.763,162.084 123.112,162.084 123.285,162.256 DD3.2@123.285,163.506
  BOTTOM w0.4: DD5.2@42.702,70.073 DD5.2@42.702,70.5 ; DD2.2@49.075,163.506 49.075,164.808 55.267,171 62.42,171 66.42,167 74.99,167 84.49,157.5 v1(87.3,157.5) ; v1(49.8,120.8) 86,120.8 90.308,125.108 90.308,137.409 90.531,137.632 ; DD6.2@129.48,119.124 DD6.2@129.48,119.551
SyncArc: DA2.15 X10.1 | length 30.4
  TOP w0.4: v1(92.258,170.235) 92.258,172.268 94.59,174.6 104.7,174.6 105.3,175.2 X10.1@105.3,179.6
  BOTTOM w0.4: v1(92.258,170.235) 92.335,170.159 92.335,169.875 92.354,169.856 92.354,165.944 93.763,164.535 93.763,163.032 94.333,162.462 DA2.15@95.435,162.462
UART1_Rx: DD1.43 R1.1 | length 29.4
  TOP w0.2: v1(85.8,127.3) 85.808,127.292 87.625,127.292 87.834,127.5 93.8,127.5 v1@95.3,126
  BOTTOM w0.2: DD1.43@71.121,133.156 71.121,131.563 75.384,127.3 v1(85.8,127.3) ; R1.1@95.32,124.625 R1.1@95.32,124.78 ; R1.1@95.32,125 v1(95.32,126)
UART1_Tx: DD1.42 R8.1 | length 31.6
  TOP w0.2: v1(84.8,128.146) 86.049,128.146 86.411,127.784 87.476,127.784 87.646,127.954 95.946,127.954 v1(97.9,126)
  BOTTOM w0.2: DD1.42@71.621,133.156 71.621,131.705 75.172,128.154 84.792,128.154 v1(84.8,128.146) ; R8.1@97.86,124.625 97.86,124.96 97.9,125 v1(97.9,126)
VCC_3V3: C1.2 C2.2 C3.2 C4.2 C5.1 C6.2 C7.1 C20.1 C21.1 DA4.2 DD1.1 DD1.13 DD1.19 DD1.32 DD1.48 DD1.64 R30.2 R33.2 R34.2 R38.2 R39.2 R40.2 R42.2 X6.3 | length 476.3
  TOP w0.2: v1(76.479,146.84) 76.479,148.136 v1(78.2,149.856)
  TOP w0.8: v1(130,125.8) 130,132.991 130.2,133.191
  TOP w1: v1(9.307,161.435) v1(9.307,160.006) 11.357,160.006 11.357,151.592 ; v2@34.449,83.979 20.955,83.979 16.827,88.106 16.827,101.952 6.35,112.43 6.35,120.777 11.357,125.784 11.357,130.016 ; v2(47.805,170.2) 29.691,170.2 18.256,158.765 18.256,153.035 16.814,151.592 11.357,151.592 ; X6.3@62.071,130.016 11.357,130.016 ; v2(67,130.026) 67.047,130.073 81.178,130.073 ; v2(81.6,150.7) 81.6,146.9 83.979,144.521 v2(83.979,141.605) v2(83.979,135.106) 83.979,132.874 81.178,130.073 ; v1(130.81,167.771) 138.43,160.151 138.43,144.867 141,142.297 141,135 139.191,133.191 130.2,133.191 121.491,133.191 118.349,130.049 118.349,126.586 117.764,126 105.204,126 102.552,123.349 87.63,123.349 81.178,129.801 81.178,130.073 ; 11.357,130.016 11.357,151.592
  BOTTOM w0.2: DD1.64@66.671,142.606 64.66,142.606 65.564,143.51 68.421,143.51 68.621,143.71 DD1.1@68.621,144.556 68.592,144.556 68.571,144.577 66.951,144.577 66.834,144.694 66.834,149.542 67.148,149.856 C1.2@68.621,149.856 ; C4.2@68.621,130.026 68.621,130.769 68.263,131.127 68.263,131.921 68.621,132.28 DD1.48@68.621,133.156 ; DD1.13@74.621,144.556 74.621,145.648 75.779,146.806 76.446,146.806 v1(76.479,146.84) ; DD1.32@78.071,135.106 C3.2@82.361,135.106 ; DD1.19@78.071,141.606 C5.1@82.044,141.606
  BOTTOM w0.6: X6.3@62.042,130.026 60.166,131.902 60.166,142.24 60.532,142.606 C6.2@62.041,142.606 64.66,142.606 ; v2(67,130.026) C4.2@68.621,130.026 ; C2.2@76.728,149.856 v1(78.2,149.856) 80.756,149.856 v2(81.6,150.7) ; C5.1@82.044,141.606 82.045,141.605 v2(83.979,141.605) ; C3.2@82.361,135.106 v2@83.83,135.106
  BOTTOM w0.8: v2@34.449,83.979 36.512,81.915 42.862,81.915 43.337,81.44 43.337,74.765 ; R40.2@41.432,74.765 43.337,74.765 ; R38.2@45.242,74.765 43.337,74.765 ; R33.2@47.805,167.771 v2(47.805,170.2) ; R34.2@123.074,167.771 v1(130.81,167.771) ; R42.2@128.21,123.816 130.115,123.816 ; v1(130,125.8) 130,123.931 130.115,123.816 ; R39.2@132.02,123.816 130.115,123.816
  BOTTOM w1: DA4.2@6.45,154.316 R30.2@6.45,176.199 ; X6.3@62.042,130.026 C7.1@65.216,130.026 v2(67,130.026)
  other v1: 3.751,160.006 3.751,161.435 5.18,162.546 7.72,162.546 5.18,163.816 7.72,163.816
  other v2: 34.441,83.971
VCC_5V0: C16.1 C17.1 C18.1 C19.1 C22.1 C23.1 C24.2 C25.2 C26.1 C28.1 C30.2 C31.2 DA4.3 DD2.9 DD3.9 DD5.9 DD6.9 L1.2 R19.1 | length 402.1
  TOP w0.6: 103.3,104.5 103.3,118.8 109.446,124.946 118.389,124.946 123.097,129.654 124.595,129.654 129.749,124.5 132.409,124.5 v1(138.128,130.219) 143,135.091 143,143 140,146 140,160.893 v1(135.745,165.148)
  TOP w1: C17.1@12.4,115.736 12.4,115.9 21.7,125.2 v2(49.507,125.2) 80.2,125.2 83.6,121.8 91.1,114.3 91.1,100.9 ; v2(62.3,73.5) 74.2,85.4 88.5,85.4 91.1,88 91.1,100.9 ; 103.3,104.5 99.7,100.9 91.1,100.9
  BOTTOM w0.6: DD5.9@51.592,70.5 51.592,73.522 C26.1@54.089,73.522 54.212,73.4 54.312,73.5 v2(62.3,73.5) ; DD2.9@57.965,163.506 C24.2@57.965,166.529 C22.1@60.463,166.529 ; DD3.9@132.175,163.506 132.175,164.675 133.3,165.8 133.3,166.462 C25.2@133.234,166.529 C23.1@135.731,166.529 135.738,166.522 135.738,165.155 v1(135.745,165.148) ; v1(138.128,130.219) 138.128,126.114 136.991,124.977 136.991,122.574 C31.2@138.37,122.574 ; DD6.9@138.37,119.551 C31.2@138.37,122.574 ; C28.1@140.867,122.574 C31.2@138.37,122.574
  BOTTOM w1: DA4.3@4.15,154.316 4.15,149.765 4.862,149.053 C19.1@6.25,149.053 6.25,146.713 6.9,146.062 6.9,142.731 9.9,139.731 L1.2@9.9,130.5 ; L1.2@9.7,130.5 L1.2@9.9,130.5 ; R19.1@11.59,110.974 11.59,112.72 12.4,113.53 C17.1@12.4,115.736 12.4,121.276 11.746,121.93 11.746,123.966 11.696,124.016 11.696,125.155 9.9,126.951 L1.2@9.9,130.5 ; v2(49.507,125.2) 49.545,125.238 53.338,125.238 57.6,129.5 57.6,146.5 64,152.9 64,164.924 62.424,166.5 60.491,166.5 C22.1@60.463,166.529
VCC_12V: BA1.1 C8.1 C9.1 DA1.6 DA2.9 DA3.9 R6.2 R9.2 R15.2 X1.1 X2.1 X3.2 X7.2 X9.2 X10.2 X11.2 X12.2 X13.2 X14.2 X15.2 X16.2 X17.2 X18.2 | length 531.1
  TOP w0.8: X18.2@27.9,179.6 30.2,181.9 38.2,181.9 ; X17.2@38.2,179.6 38.2,181.9 ; X16.2@48.5,179.6 48.5,181.9 ; X15.2@58.8,179.6 58.8,181.9 ; 69.1,181.9 X14.2@69.1,179.6 69.1,177 69.65,176.45 BA1.1@69.65,170.6 ; X13.2@79.4,179.6 79.4,181.9 ; 89.7,181.9 X12.2@89.7,179.6 89.7,173.031 v2@90.805,171.926 ; X11.2@100,179.6 100,181.9 ; X10.2@110.3,179.6 110.3,181.9 ; X9.2@120.6,179.6 120.6,181.9 ; X7.2@130.9,179.9 130.9,181.9 ; X1.1@142.2,158.9 142.214,158.886 144.5,158.886 ; X2.1@142.4,170.1 144.5,170.1 ; 144.5,158.854 144.5,158.886 ; 144.531,158.886 144.5,158.886 ; 38.2,181.9 143.6,181.9 144.5,181 144.5,170.1 ; 144.5,158.886 144.5,170.1
  TOP w1: 143.1,95.6 143.1,95.8 144.5,97.2 144.5,158.854
  TOP w2: X3.2@5.82,97 2.3,93.48 2.3,87.549 7.5,82.349 7.5,39.8 91.7,39.8 94.1,42.2 94.1,77.8 99.1,82.8 130.3,82.8 143.1,95.6
  BOTTOM w0.6: DA1.6@5.371,112.346 5.371,111.001 5.82,110.553 R15.2@5.82,109.386 ; v2(90.824,171.926) 91.916,171.926 93.76,170.082 DA2.9@95.435,170.082 96.459,170.082 96.996,169.545 96.996,159.861 96.581,159.446 DA3.9@95.435,159.446
  BOTTOM w0.8: X12.2@89.7,179.6 X12.2@89.7,179.699
  BOTTOM w1: X3.2@5.82,97 R6.2@5.82,105.259 ; R15.2@5.82,109.386 R9.2@5.82,107.323 ; C8.1@8.05,108.91 8.05,107.593 7.78,107.323 R9.2@5.82,107.323 ; C9.1@9.9,104.465 8.097,104.465 7.304,105.259 R6.2@5.82,105.259 ; R6.2@5.82,105.259 R9.2@5.82,107.323
pads on no net: DA1.8 DA2.3 DA2.4 DA2.13 DA2.14 DD1.2 DD1.29 DD1.34 DD1.35 DD1.36 DD1.50 DD1.51 DD1.55 DD1.56 DD1.57 DD1.61 DD2.4 DD2.5 DD2.12 DD2.22 DD2.23 DD3.4 DD3.5 DD3.11 DD3.12 DD3.22 DD3.23 DD5.5 DD6.5 DD6.11 DD6.12 HG3.6 HG6.6 HG_Reserve1.1 HG_Reserve1.2 HG_Reserve1.3 HG_Reserve1.4 HG_Reserve1.5 HG_Reserve1.6 HG_Reserve1.7 HG_Reserve1.8 HG_Reserve1.9 HG_Reserve1.10 HG_Reserve1.11 HG_Reserve1.12 HG_Reserve2.1 HG_Reserve2.2 HG_Reserve2.3 HG_Reserve2.4 HG_Reserve2.5 HG_Reserve2.6 HG_Reserve2.7 HG_Reserve2.8 HG_Reserve2.9 HG_Reserve2.10 HG_Reserve2.11 HG_Reserve2.12 S_Reserve1.1 S_Reserve1.2 S_Reserve1.3 S_Reserve1.4 S_Reserve2.1 S_Reserve2.2 S_Reserve2.3 S_Reserve2.4 S_Reserve3.1 S_Reserve3.2 S_Reserve3.3 S_Reserve3.4 S_Reserve4.1 S_Reserve4.2 S_Reserve4.3 S_Reserve4.4 Z2.2 Z2.4
copper on no net: | length 0.1
  BOTTOM w0.2: 78.071,136.606 78.117,136.56 78.163,136.606

## Polygon pours and split planes (outlines as drawn)
GND on TOP "GND_L01_P003" (solid, pour order 3): 0.5,0.5 0.5,182.5 145,182.5 145,0.5
VCC_3V3 on TOP "VCC_3V3_L01_P001" (solid, pour order 1): 15.627,153.329 15.627,182.866 0.627,182.866 0.627,153.329
no net on BOTTOM "NONET_L02_P004" (solid, pour order 4): 145,0.5 145,182.5 0.5,182.5 0.5,0.5
VCC_3V3 on BOTTOM "VCC_3V3_L02_P000" (solid, pour order 0): 15.627,153.329 15.627,182.866 0.627,182.866 0.627,153.329

## Silkscreen, mask and mechanical layers (free items; w line width, h text height)
Top Overlay:
  drawing of 11986 lines, arcs and shapes, not listed
  text "PCB_WELDER" at 99,82 h2
  text "Rev_1.2" at 99,80 h2
Bottom Overlay:
  text "+12V" at 6.7,100.1 h2
  text "POWER" at 12.8,97.8 h2 r90
  text "GND" at 7.6,87.4 h2
BOARD:
  the board outline again, w0.2
DXF:
  drawing of 11933 lines, arcs and shapes, not listed

## Text inside footprints (layer, text, board x,y; h text height)
VD2: Bottom Overlay "+" at 5.45,180.985 h2
VD7: Top Overlay "+" at 81.324,30.037 h2
VD8: Top Overlay "+" at 56.229,30.037 h2
VD9: Top Overlay "+" at 37.24,30.037 h2
VD10: Top Overlay "+" at 15.445,30.037 h2